# Altium PCB RFID_DACS-01.PcbDoc (part 2 of 2)
Units mil, origin at the board's own origin, x right, y up, seen from the top; angles counter-clockwise.
Board outline 4330.71 x 2755.91 mil, 2 copper layers (Top Layer, Bottom Layer); 189 components, 142 nets, 630 pads, 156 vias.
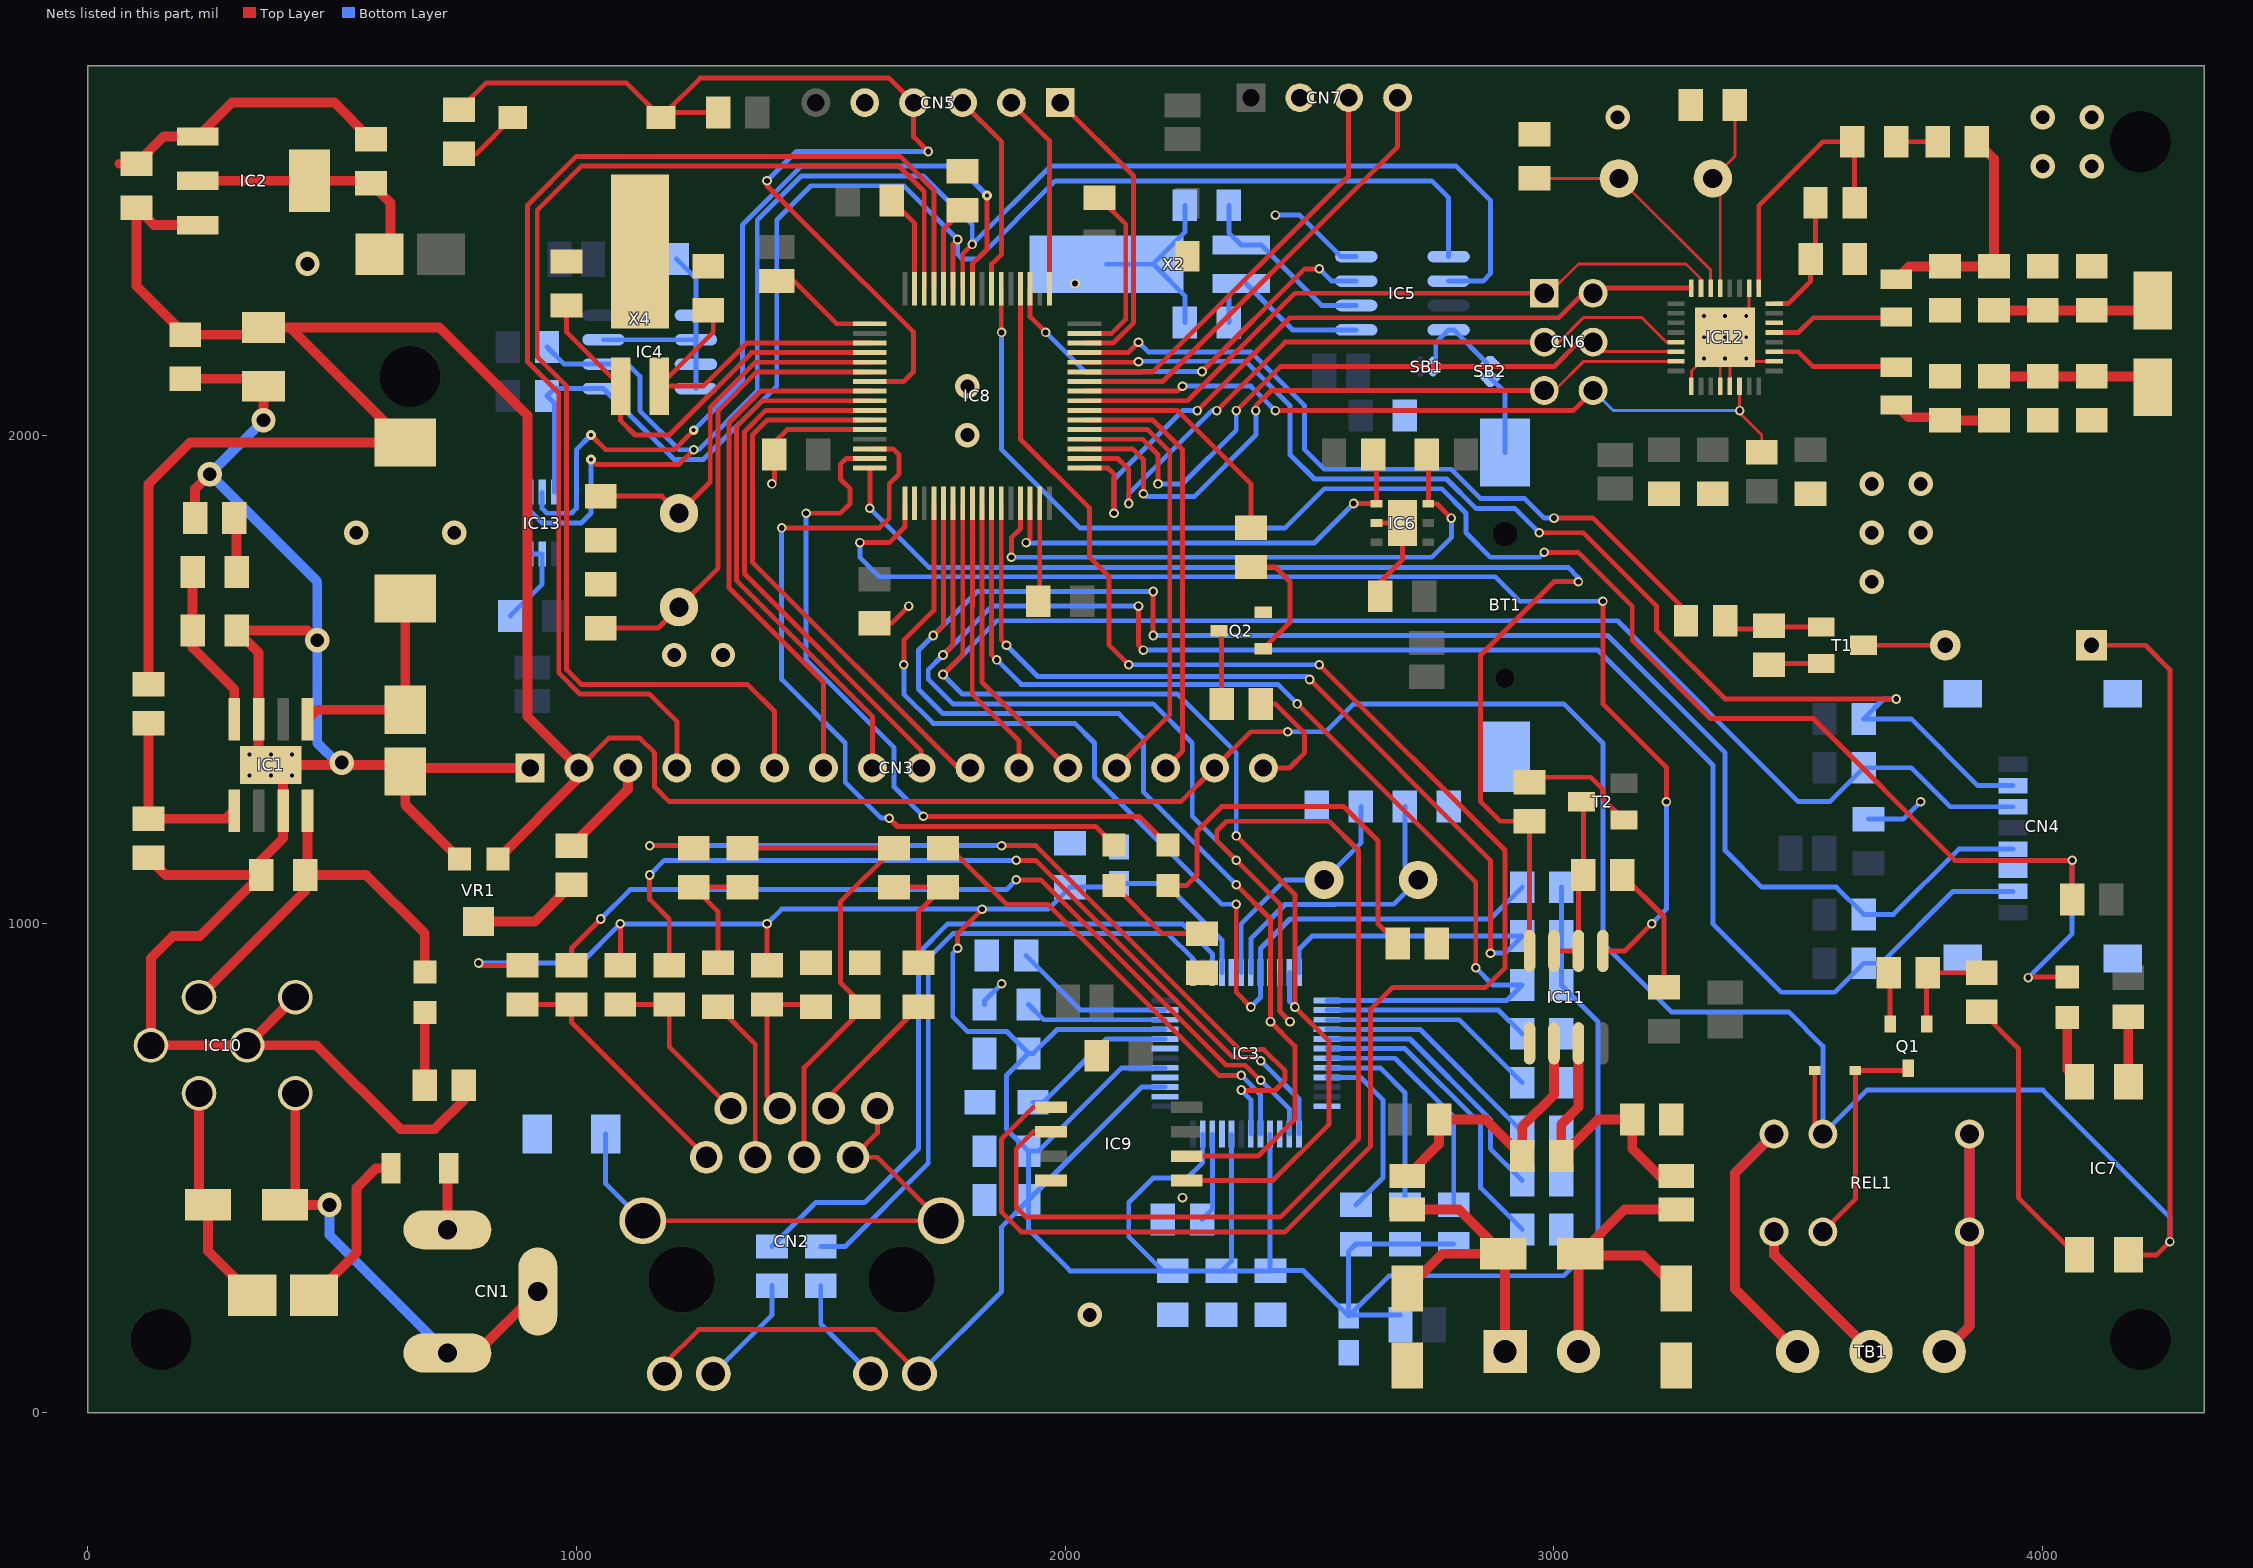
[diagram p2: the nets of this part, all layers, seen from the top]

## Via types
v1: diameter 19.68, hole 11.81, Top Layer to Bottom Layer, 114 vias
v2: diameter 50, hole 28, Top Layer to Bottom Layer, 23 vias
v3: diameter 19.68, hole 7.87, Top Layer to Bottom Layer, 19 vias

## Nets (pads, with @x,y where several pads share a name; then routed paths per layer and width w, separated by ;. In a path a pad name is that pad's centre, name@x,y a point inside that pad or via, vN(x,y) a via of type N, cw(c..) or ccw(c..) an arc to the next point about the centre after c; other vN are vias at no path point) (continued)
3V3_W5500: C8.1 C9.2 C10.2 C11.2 C12.2 C18.1 C19.2 C41.2 C59.2 CN2.9 CN2.12 FB1.1 IC3.4 IC3.8 IC3.11 IC3.15 IC3.17 IC3.21 IC3.28 R7.2 R9.2 R11.2 R13.2 R14.1 R15.1 R16.1 R17.1 R18.1 | length 8369.8
  Top Layer w10: v1(800,920) 805,915 R15.1@890,915 ; R14.1@1090,915 v1(1090,1000) ; CN2.9@1180.12,79.61 1180.12,100.12 1250,170 1611.38,170 CN2.12@1701.77,79.61 ; R16.1@1390,915 v1(1390,1000) ; v1(1780,950) 1780,980 v1(1830,1030)
  Bottom Layer w10: v1(800,920) 1010,920 v1(1090,1000) v1(1390,1000) 1420,1030 v1(1830,1030) 1965,1030 C19.2@2010,1075 2102.4,1075 C18.1@2110,1082.6 2204.8,1082.6 2320.79,966.61 IC3.28@2320.79,900.35 ; CN2.12@1701.77,79.61 1870,247.83 1870,380 C11.2@1925,435 ; v1(1780,950) 1770,940 1770,810 1800,780 1880,780 C59.2@1925,735 ; IC3.15@2204.65,666.1 2156.1,666.1 C11.2@1925,435 ; IC3.17@2204.65,705.47 2115.47,705.47 1945,535 C12.2@1925,535 ; IC3.21@2204.65,784.21 1984.21,784.21 1935,735 C59.2@1925,735 ; IC3.11@2281.42,569.65 2281.42,511.42 2250,480 2180,480 2130,430 2130,360 C10.2@2200,290 ; IC3.8@2340.47,569.65 2340.47,310.47 C9.2@2320,290 ; IC3.4@2419.21,569.65 2419.21,290.79 2486.61,290.79 C8.1@2580,197.4 ; C41.2@2420,290 C9.2@2320,290 ; FB1.1@2685.55,200 C8.1@2582.6,200 ; R7.2@2795,345 R9.2@2695,345 R11.2@2595,345 2580,330 C8.1@2580,197.4 ; R18.1@3015,1075 R17.1@3015,975 R13.2@3015,875 3090,800 3090,350 3020,280 2662.6,280 C8.1@2582.6,200 ; C11.2@1925,435 1925,375 2010,290 C10.2@2200,290 ; C11.2@1925,435 C12.2@1925,535 ; C12.2@1925,535 1880,580 1880,690 C59.2@1925,735 ; C10.2@2200,290 C10.2@2220,290 C9.2@2320,290 ; C8.1@2580,197.4 C8.1@2582.6,200
5V: C1.1 C2.2 C6.2 CN3.2 CN3.15 D5.1 IC2.3 IC7.4 L1.2 LS1.1 R1.1 REL1.2 VR1.1 | length 9478.1
  Top Layer w10: CN3.2@1005.51,1318.9 1066.61,1380 1130,1380 1160,1350 1160,1280 1190,1250 2236.61,1250 CN3.15@2305.51,1318.9 2379.65,1393.04 v1(2455.4,1393.04) ; D5.1@3533.46,700 3533.46,586.54 REL1.2@3550,570 ; LS1.1@4099.61,1570 4210,1570 4260,1520 v1(4260,350) 4232.83,322.83 IC7.4@4175,322.83
  Top Layer w20: R1.1@125,1490 125,1900 209.45,1984.45 L1.2@650,1984.45 414.41,2220.04 ; IC2.3@225.83,2429.45 135.55,2429.45 C6.2@100,2465 100,2305 C2.2@200,2205 344.96,2205 C1.1@360,2220.04 414.41,2220.04 ; VR1.1@839.37,1132.99 1005.51,1299.13 CN3.2@1005.51,1318.9 900,1424.41 900,2040 719.96,2220.04 414.41,2220.04
  Bottom Layer w10: v1(2455.4,1393.04) 2533.04,1393.04 2590,1450 3020,1450 3100,1370 3100,960 3240,820 3480,820 3550,750 REL1.2@3550,570 ; REL1.2@3560,580 3640,660 4000,660 4260,400 v1(4260,350)
BUZZER: IC8.45 R45.1 | length 1567
  Top Layer w10: IC8.45@2039.49,2168.58 2128.58,2168.58 v1(2150,2190) ; v1(3000,1830) 3080,1830 3287,1623 R45.1@3287,1600
  Bottom Layer w10: v1(2150,2190) 2170,2170 2380,2170 2490,2060 2490,1970 2530,1930 2790,1930 2850,1870 2940,1870 2980,1830 v1(3000,1830)
COM: REL1.1 REL1.6 TB1.3 | length 1067.1
  Top Layer w20: TB1.3@3777.5,97.5 TB1.3@3825,145 ; TB1.3@3798.43,125 3850,176.57 REL1.6@3850,370 REL1.1@3850,570
  Bottom Layer w20: TB1.3@3777.5,97.5 TB1.3@3825,145 ; TB1.3@3798.43,125 3850,176.57 REL1.6@3850,370 REL1.1@3850,570
GND: BT1.2 C1.2 C2.1 C3.1 C4.1 C6.1 C7.1 C8.2 C9.1 C10.1 C11.1 C12.1 C13.2 C14.2 C15.2 C18.2 C19.1 C20.2 C21.2 C22.1 C23.1 C24.1 C25.1 C26.1 C27.1 C28.1 C29.2 C30.2 C31.1 C32.1 C33.1 C34.1 C35.1 C36.2 C37.2 C38.1 C39.2 C40.2 C41.1 C42.1 C43.1 C44.1 C45.2 C46.2 C47.1 C50.1 C51.1 C52.1 C53.2 C54.2 C55.2 C57.1 C58.1 C59.1 C60.2 CN3.1 CN3.5 CN4.6 CN4.9 CN4.10 CN5.5 CN7.2 D3.2 D6.2 D8.2 IC1.3 IC1.7 IC1.9 IC2.1 IC3.3 IC3.9 IC3.14 IC3.16 IC3.19 IC3.29 IC3.48 IC4.1 IC4.2 IC4.3 IC4.4 IC4.7 IC5.4 IC6.2 IC6.7 IC8.12 IC8.18 IC8.31 IC8.47 IC8.63 IC9.4 IC10.4 IC10.5 IC10.6 IC11.5 IC12.1 IC12.4 IC12.5 IC12.10 IC12.14 IC12.18 IC12.33 IC13.2 IC13.3 Q1.2 Q2.2 R2.2 R3.2 R4.2 R5.2 R6.2 R8.2 R10.2 R12.2 R22.2 R26.2 R29.2 R33.2 R42.2 R46.1 R49.2 R50.2 R57.2 SW1.2 T1.2 VR1.3 X2.3 X4.3 | length 8800.5
  Top Layer w6: IC12.1@3281.1,2099.61 3281.1,2131.1 v3(3306.69,2156.69) v3(3350,2200) ; IC12.4@3340.16,2099.61 IC12.33@3340.16,2156.69 ; IC12.5@3359.84,2099.61 IC12.33@3359.84,2190.16 ; v3(3393.31,2156.69) IC12.33@3359.84,2190.16 ; IC12.33@3399.21,2150.79 IC12.10@3450.39,2150.79 ; IC12.18@3399.21,2300.39 3399.21,2249.21 v3(3393.31,2243.31) v3(3350,2200) ; v3(3350,2200) IC12.33@3359.84,2190.16
  Top Layer w10: C38.1@760,2575 795,2575 SW1.2@870,2650 ; v1(1400,1900) 1405,1905 C31.1@1405,1960 1405,1985 1431.1,2011.1 IC8.12@1600.51,2011.1 ; C35.1@1610,1615 1645,1615 v1(1680,1650) ; C34.1@1645,2480 1692.05,2432.95 IC8.63@1692.05,2299.49 ; C32.1@1945,1660 1947.95,1662.95 IC8.31@1947.95,1860.51 ; IC8.47@2039.49,2207.95 2095.33,2207.95 2124,2236.63 2124,2431 C33.1@2070,2485 ; IC6.2@2636.85,1820 IC6.7@2690,1820 2690,1745 C28.1@2645,1700 ; R49.2@3140,1100 3225,1015 C43.1@3225,870 C43.1@3215,860 ; R46.1@3450,1537 3454.4,1532.6 T1.2@3546.69,1532.6 ; R33.2@3685,900 3687.6,897.4 Q1.2@3687.6,795.28
  Top Layer w20: 65,2555 C6.1@100,2555 155.55,2610.55 IC2.1@225.83,2610.55 295.28,2680 505,2680 C7.1@580,2605 ; R2.2@125,1135 160,1100 C3.1@355,1100 ; C2.1@200,2115 344.96,2115 C1.2@360,2099.96 v2(360,2030) ; R4.2@220,1830 220,1890 v2(250,1920) ; IC10.4@425,850 IC10.6@326.57,751.57 ; v2(470,1580) 450,1600 C4.1@305,1600 350,1555 IC1.3@350,1418.5 350,1350 IC1.9@375,1325 ; VR1.3@760.63,1132.99 650,1243.62 D3.2@650,1312.01 ; R3.2@770,670 770,640 710,580 640,580 468.43,751.57 IC10.6@326.57,751.57 ; CN3.1@905.51,1318.9 656.89,1318.9 D3.2@650,1312.01 ; IC10.6@326.57,751.57 IC10.5@129.72,751.57 129.72,929.72 175,975 230,975 C3.1@355,1100 ; C3.1@355,1100 355,1130 400,1175 IC1.7@400,1231.5 400,1300 IC1.9@375,1325 ; IC1.9@375,1325 637.01,1325 D3.2@650,1312.01
  Bottom Layer w10: C60.2@865,1630 930,1695 IC13.2@930,1757.01 IC13.3@904.41,1757.01 ; IC4.7@1055.51,2195 IC4.2@1244.49,2195 ; C24.1@1205,2360 1244.49,2320.51 IC4.1@1244.49,2245 IC4.2@1244.49,2195 ; IC4.4@1244.49,2095 IC4.3@1244.49,2145 IC4.2@1244.49,2195 ; C23.1@1835,835 1835,842.5 v1(1870,877.5) ; X2.3@2084.41,2349.37 X2.3@2179.37,2349.37 ; C26.1@2245,2230 2245,2285 2180.63,2349.37 X2.3@2179.37,2349.37 ; C27.1@2245,2470 2245,2415 X2.3@2179.37,2349.37 ; v1(2430,2450) 2480,2450 2565,2365 IC5.4@2595.51,2365 ; C29.2@3643.39,1214.33 3714.33,1214.33 v1(3750,1250)
  Bottom Layer w20: v2(360,2030) v2(250,1920) 470,1700 v2(470,1580) 470,1370 v2@510,1330
  other v1: 2240,440 2020,2310
  other v2: 2050,200 520,1330 1200,1550 1300,1550 3650,1700 550,1800 750,1800 3650,1800 3750,1800 3650,1900 3750,1900 1800,2000 1800,2100 450,2350 4000,2550 4100,2550 3130,2650 4000,2650 4100,2650
  other v3: 331.69,1303.35 375,1303.35 418.31,1303.35 331.69,1346.65 375,1346.65 418.31,1346.65 3350,2156.69 3306.69,2200 3393.31,2200 3306.69,2243.31 3350,2243.31
I2C1_SCL: IC4.6 IC5.6 IC8.58 IC13.4 R55.2 | length 3530.4
  Top Layer w10: v3(1030,1950) 1040,1940 1210,1940 v1(1240,1970) ; IC8.58@1790.47,2299.49 1790.47,2370.47 v1(1810,2390)
  Bottom Layer w10: IC13.4@904.41,1882.99 904.41,1845.59 930,1820 1010,1820 1030,1840 v3(1030,1950) ; R55.2@940,2180 975,2145 IC4.6@1055.51,2145 1105,2145 1130,2120 1130,2050 1210,1970 v1(1240,1970) 1250,1970 1370,2090 1370,2440 1460,2530 1710,2530 1810,2430 v1(1810,2390) 1970,2550 2800,2550 2870,2480 2870,2330 2855,2315 IC5.6@2784.49,2315
I2C1_SDA: IC4.5 IC5.5 IC8.59 IC13.6 R56.2 | length 2930.5
  Top Layer w10: IC8.59@1770.79,2299.49 1770.79,2390.79 v1(1780,2400)
  Bottom Layer w10: IC13.6@955.59,1882.99 955.59,2064.41 R56.2@940,2080 955,2095 IC4.5@1055.51,2095 1200.51,1950 1260,1950 1410,2100 1410,2440 1480,2510 1670,2510 v1(1780,2400) 1780,2370 1790,2360 1820,2360 1980,2520 2750,2520 2784.49,2485.51 IC5.5@2784.49,2365
I2C2_SCL: IC6.6 IC8.29 R44.1 | length 1235.7
  Top Layer w10: v1(1890,1750) 1890,1790 1908.58,1808.58 IC8.29@1908.58,1860.51 ; R44.1@2740,1960 2743.15,1956.85 IC6.6@2743.15,1859.37 2760.63,1859.37 v1(2790,1830)
  Bottom Layer w10: v1(1890,1750) 2750,1750 2790,1790 v1(2790,1830)
I2C2_SDA: IC6.1 IC8.30 R43.1 | length 938.4
  Top Layer w10: v1(1920,1780) 1928.27,1788.27 IC8.30@1928.27,1860.51 ; v1(2590,1860) 2636.22,1860 IC6.1@2636.85,1859.37 2636.85,1953.15 R43.1@2630,1960
  Bottom Layer w10: v1(1920,1780) 1920.84,1779.16 2509.16,1779.16 v1(2590,1860)
LCD_D0: CN3.7 IC8.8 | length 1101.5
  Top Layer w10: CN3.7@1505.51,1318.9 1505.51,1494.49 1312,1688 1312,2024.63 1377.37,2090 1600.35,2090 IC8.8@1600.51,2089.84
LCD_D1: CN3.8 IC8.9 | length 1108.2
  Top Layer w10: IC8.9@1600.51,2070.16 1380.16,2070.16 1328,2018 1328,1702 1605.51,1424.49 CN3.8@1605.51,1318.9
LCD_D2: CN3.9 IC8.10 | length 1112.1
  Top Layer w10: IC8.10@1600.51,2050.47 1387.85,2050.47 1344,2006.63 1344,1716 1705.51,1354.49 CN3.9@1705.51,1318.9
LCD_D3: CN3.10 IC8.11 | length 1133.2
  Top Layer w10: IC8.11@1600.51,2030.79 1390.79,2030.79 1360,2000 1360,1740 1781.1,1318.9 CN3.10@1805.51,1318.9
LCD_D4: CN3.11 IC8.24 | length 581.2
  Top Layer w10: IC8.24@1810.16,1860.51 1810.16,1650.16 1810,1650 1810,1470 1905.51,1374.49 CN3.11@1905.51,1318.9
LCD_D5: CN3.12 IC8.25 | length 614.4
  Top Layer w10: IC8.25@1829.84,1860.51 1829.84,1494.57 CN3.12@2005.51,1318.9
LCD_D6: CN3.13 IC8.37 | length 885.2
  Top Layer w10: IC8.37@2039.49,2011.1 2168.9,2011.1 2214,1966 2214,1427.39 CN3.13@2105.51,1318.9
LCD_D7: CN3.14 IC8.38 | length 891.1
  Top Layer w10: IC8.38@2039.49,2030.79 2179.21,2030.79 2240,1970 2240,1353.39 CN3.14@2205.51,1318.9
LCD_EN: CN3.6 IC8.62 | length 2590.6
  Top Layer w10: CN3.6@1405.51,1318.9 1405.51,1434.49 1350,1490 1010,1490 980,1520 980,2100 920,2160 920,2460 1010,2550 1660,2550 1711.73,2498.27 IC8.62@1711.73,2299.49
LCD_LED: IC8.39 R36.2 | length 492.8
  Top Layer w10: IC8.39@2039.49,2050.47 2229.53,2050.47 2380,1900 R36.2@2380,1810
LCD_RS: CN3.4 IC8.61 | length 2464.3
  Top Layer w10: CN3.4@1205.51,1318.9 1205.51,1414.49 1150,1470 1007.37,1470 964,1513.37 964,2086 900,2150 900,2470 1000,2570 1662.63,2570 1731.42,2501.21 IC8.61@1731.42,2299.49
LED1: IC8.14 LED3.2 | length 1608.1
  Top Layer w10: v1(1420,1810) 1620,1810 1640,1830 1640,1900 1660,1920 1660,1960 1648.27,1971.73 IC8.14@1600.51,1971.73 ; v1(1640,1216.15) 1657,1199.16 2062.18,1199.16 LED3.2@2100.01,1161.33
  Bottom Layer w10: v1(1420,1810) 1420,1500 1550,1370 1550,1290 1623.85,1216.15 v1(1640,1216.15)
LED2: IC8.15 LED4.2 | length 1495.8
  Top Layer w10: v1(1470,1840) 1540,1840 1560,1860 1560,1890 1540,1910 1540,1940 1552.05,1952.05 IC8.15@1600.51,1952.05 ; v1(1710,1220) 2151.34,1220 LED4.2@2210.01,1161.33
  Bottom Layer w10: v1(1470,1840) 1470,1540 1650,1360 1650,1280 v1(1710,1220)
LIGHT_INT: IC8.57 IC13.5 | length 1751.6
  Top Layer w10: v3(1030,2000) 1060,1970 1200,1970 v3(1240,2010) ; IC8.57@1810.16,2299.49 1810.16,2350.16 1840,2380 v3(1840,2490)
  Bottom Layer w10: IC13.5@930,1882.99 930,1850 940,1840 990,1840 1000,1850 1000,1970 v3(1030,2000) ; v3(1240,2010) 1340,2110 1340,2430 1460,2550 1780,2550 v3(1840,2490)
MFRC522_IRQ: CN6.1 IC8.40 IC12.23 | length 1408.8
  Top Layer w6: CN6.1@2980,2290 2990,2290 3050,2350 3270,2350 3300.79,2319.21 IC12.23@3300.79,2300.39
  Top Layer w10: IC8.40@2039.49,2070.16 2250.16,2070.16 2470,2290 CN6.1@2980,2290
MFRC522_RST: CN6.6 IC8.41 IC12.6 R51.2 | length 1548.3
  Top Layer w6: v1@3379.53,2045.47 3425,2000 R51.2@3425,1965 ; v1@3379.53,2050 IC12.6@3379.53,2099.61
  Top Layer w10: IC8.41@2039.49,2089.84 2229.84,2089.84 v1(2240,2100) ; v1(2430,2050) 3039.02,2050 CN6.6@3080.01,2090.99
  Bottom Layer w6: CN6.6@3080.01,2090.99 3121,2050 v1(3380,2050)
  Bottom Layer w10: v1(2240,2100) 2380,2100 v1(2430,2050)
MFRC522_RX: C48.2 IC12.17 R52.1 | length 541
  Top Layer w10: IC12.17@3418.9,2300.39 3418.9,2468.9 3550,2600 C48.2@3610,2600 3615,2595 R52.1@3615,2475
MFRC522_TX1: IC12.11 L3.1 | length 262.2
  Top Layer w10: IC12.11@3450.39,2170.47 3499.53,2170.47 3530,2140 L3.1@3700,2140
MFRC522_TX2: IC12.13 L2.1 | length 262.1
  Top Layer w10: IC12.13@3450.39,2209.84 3499.84,2209.84 3530,2240 L2.1@3700,2240
MFRC522_VMID: C47.2 IC12.16 R52.2 | length 228.7
  Top Layer w10: IC12.16@3450.39,2268.9 3478.9,2268.9 3525,2315 C47.2@3525,2360 ; C47.2@3535,2385 R52.2@3535,2475
MICROSD_CS: CN4.2 IC8.44 R37.2 | length 2480.9
  Top Layer w10: IC8.44@2039.49,2148.9 2148.9,2148.9 v1(2150,2150) ; v1(2970,1800) 3060,1800 3210,1650 3210,1600 3350,1460 v1(3700,1460)
  Bottom Layer w10: v1(2150,2150) 2150.84,2150.84 2369.16,2150.84 2460,2060 2460,1960 2510,1910 2780,1910 2840,1850 2920,1850 v1(2970,1800) ; v1(3700,1460) 3674.06,1460 R37.2@3633.39,1419.33 3730.67,1419.33 3867.13,1282.87 CN4.2@3938.98,1282.87
N\R\S\T\: C38.2 CN5.4 IC8.7 R41.2 SW1.1 | length 2222
  Top Layer w10: C38.2@760,2665 815,2720 1103.15,2720 SW1.1@1173.15,2650 SW1.1@1183.15,2660 ; R41.2@1290,2660 SW1.1@1183.15,2660 ; v1(1390,2520) 1390,2510.06 1490,2410.06 ; 1489.97,2410.03 1690,2210 1690,2130 1669.53,2109.53 IC8.7@1600.51,2109.53 ; v1(1720,2580) 1690,2610 CN5.4@1690,2680 1640,2730 1253.15,2730 SW1.1@1183.15,2660
  Bottom Layer w10: v1(1390,2520) 1450,2580 v1(1720,2580)
NC: REL1.3 TB1.1 | length 1062.7
  Top Layer w20: REL1.3@3450,570 3370,490 3370,253.43 TB1.1@3498.43,125
  Bottom Layer w20: REL1.3@3450,570 3370,490 3370,253.43 TB1.1@3498.43,125
NetANT1_1: ANT1.1 C49.2 C51.2 C52.2 | length 333.3
  Top Layer w20: C49.2@3900,2255 C51.2@4000,2255 C52.2@4100,2255 4205,2255 ANT1.1@4225,2275
NetANT1_2: ANT1.2 C54.1 C55.1 C56.2 | length 334.2
  Top Layer w20: C56.2@3900,2120 C54.1@4000,2120 C55.1@4100,2120 4202.83,2120 ANT1.2@4225,2097.83
NetBT1_1: BT1.1 SB2.2 | length 165.4
  Bottom Layer w10: SB2.2@2870,2117 2900,2087 BT1.1@2900,1964.02
NetC3_2: C3.2 IC1.8 IC10.2 LED1.2 | length 846.8
  Top Layer w20: IC10.2@228.15,850 445,1066.85 C3.2@445,1100 ; IC1.8@450,1231.5 450,1105 C3.2@445,1100 ; LED1.2@690,901.34 690,980 570,1100 C3.2@445,1100
NetC4_2: C4.2 C5.2 IC1.4 | length 336.7
  Top Layer w20: C5.2@215,1720 C4.2@215,1600 215,1565 300,1480 IC1.4@300,1418.5
NetC5_1: C5.1 R4.1 | length 112.1
  Top Layer w20: R4.1@300,1830 305,1825 C5.1@305,1720
NetC7_2: C7.2 D4.2 IC2.2 IC2.4 | length 514.8
  Top Layer w20: IC2.2@225.83,2520 IC2.4@454.17,2520 575,2520 C7.2@580,2515 620,2475 D4.2@620,2372.99
NetC13_1: C13.1 CN2.4 R16.2 | length 325.3
  Top Layer w10: CN2.4@1415.94,622.52 1390,648.46 R16.2@1390,835 1485,835 C13.1@1490,830
NetC14_1: C14.1 IC3.31 X1.1 | length 622.8
  Bottom Layer w10: IC3.31@2379.84,900.35 2379.84,969.84 2449.63,1039.63 2550.86,1039.63 2551.23,1040 2672.13,1040 X1.1@2722.13,1090 2695,1117.13 C14.1@2695,1240
NetC15_1: C15.1 IC3.30 X1.2 | length 487.9
  Bottom Layer w10: IC3.30@2360.16,900.35 2360.16,1000.16 2450,1090 X1.2@2530,1090 2605,1165 C15.1@2605,1240
NetC16_1: C16.1 CN2.3 | length 338.9
  Top Layer w10: C16.1@1290,830 1365.94,754.06 CN2.3@1365.94,522.52
NetC17_1: C17.1 CN2.6 | length 283.7
  Top Layer w10: CN2.6@1515.94,622.52 1515.94,645.94 C17.1@1700,830
NetC20_1: C20.1 CN2.7 CN2.8 CN2.13 CN2.14 | length 1173.3
  Top Layer w10: CN2.13@1136.02,392.6 CN2.14@1745.87,392.6 1615.94,522.52 CN2.7@1565.94,522.52 1615.94,572.52 CN2.8@1615.94,622.52
  Bottom Layer w10: C20.1@1060.08,569.92 C20.1@1060,570 1060,468.62 CN2.13@1136.02,392.6
NetC21_1: C21.1 IC3.20 | length 324.2
  Bottom Layer w10: C21.1@1934.13,635 1955,635 2084.53,764.53 IC3.20@2204.65,764.53
NetC22_2: C22.2 CN2.5 R27.2 R28.2 | length 1060.1
  Top Layer w10: R27.2@1340,1155 R28.2@1650,1155 1540,1045 1540,880 C22.2@1590,830 1465.94,705.94 CN2.5@1465.94,522.52
NetC23_2: C23.2 IC3.22 | length 292.5
  Bottom Layer w10: C23.2@1925,835 1956.1,803.9 IC3.22@2204.65,803.9
NetC26_2: C26.2 IC5.1 X2.2 | length 355.2
  Bottom Layer w10: C26.2@2335,2230 2335,2285 X2.2@2360,2310 ; X2.2@2370,2310 2465,2215 IC5.1@2595.51,2215
NetC27_2: C27.2 IC5.2 X2.1 | length 378.4
  Bottom Layer w10: C27.2@2335,2470 2335,2413.74 X2.1@2360,2388.74 2401.26,2388.74 2525,2265 IC5.2@2595.51,2265
NetC36_1: C36.1 IC8.5 X3.1 | length 782.4
  Top Layer w10: C36.1@1050,1875 1175,1875 X3.1@1210,1840 1274,1904 1274,2056.63 1366.27,2148.9 IC8.5@1600.51,2148.9
NetC37_1: C37.1 IC8.6 X3.2 | length 956.3
  Top Layer w10: C37.1@1050,1605 1167.13,1605 X3.2@1210,1647.87 1290,1727.87 1290,2050 1369.21,2129.21 IC8.6@1600.51,2129.21
NetC39_1: C39.1 IC8.3 X4.2 | length 678.5
  Top Layer w10: C39.1@1280,2265 1280,2210.63 X4.2@1169.37,2100 1260,2100 1348.27,2188.27 IC8.3@1600.51,2188.27
NetC40_1: C40.1 IC8.4 X4.1 | length 873.3
  Top Layer w10: C40.1@980,2265 980,2210.63 X4.1@1090.63,2100 1090.63,2029.37 1120,2000 1190,2000 1358.58,2168.58 IC8.4@1600.51,2168.58
NetC45_1: C45.1 IC12.22 X5.1 | length 475.2
  Top Layer w6: C45.1@2960,2525 X5.1@3132.87,2525 3320.47,2337.4 IC12.22@3320.47,2300.39
NetC46_1: C46.1 IC12.21 X5.2 | length 399.5
  Top Layer w6: IC12.21@3340.16,2300.39 3340.16,2509.84 X5.2@3325,2525 3370,2570 C46.1@3370,2675
NetC48_1: C48.1 R53.2 | length 85
  Top Layer w10: C48.1@3700,2600 R53.2@3785,2600
NetC49_1: C49.1 C50.2 L2.2 R53.1 | length 480.4
  Top Layer w20: L2.2@3700,2318.58 3726.42,2345 C50.2@3800,2345 C49.1@3900,2345 3900,2565 R53.1@3865,2600
NetC53_1: C53.1 C56.1 L3.2 | length 213
  Top Layer w20: L3.2@3700,2061.42 3725,2036.42 3793.58,2036.42 C53.1@3800,2030 C56.1@3900,2030
NetCN1_2: CN1.2 CN1.3 D2.2 IC10.3 | length 976.3
  Top Layer w20: D2.2@420,430 D2.2@414.37,435.63 ; IC10.3@425,653.15 425,446.26 D2.2@414.37,435.63 ; v2(495,425) D2.2@403.74,425 D2.2@414.37,435.63 ; CN1.3@736.22,122.05 795.28,122.05 CN1.2@921.26,248.03
  Bottom Layer w20: v2(495,425) 495,363.27 CN1.3@736.22,122.05
NetCN2_10: CN2.10 R24.2 | length 230.1
  Bottom Layer w10: CN2.10@1280.12,79.61 1400,199.49 R24.2@1400,260
NetCN2_11: CN2.11 R25.2 | length 222.5
  Bottom Layer w10: R25.2@1500,260 1500,181.38 CN2.11@1601.77,79.61
NetCN3_3: CN3.3 R35.1 | length 206.7
  Top Layer w20: R35.1@990,1160 1105.51,1275.51 CN3.3@1105.51,1318.9
NetCN3_16: CN3.16 R34.1 | length 280
  Top Layer w10: CN3.16@2400,1324.41 CN3.16@2405.51,1318.9 2458.9,1318.9 2490,1350 2490,1390 2430,1450 R34.1@2400,1450 R34.1@2400,1470
NetD1_1: D1.1 D2.1 IC10.1 | length 458.2
  Top Layer w20: IC10.1@228.15,653.15 228.15,443.11 D2.1@246.26,425 246.26,330.75 D1.1@337.01,240
NetD1_2: D1.2 F1.2 | length 343.6
  Top Layer w20: D1.2@462.99,240 550,327.01 550,460 590,500 F1.2@620.94,500
NetD3_1: D3.1 IC1.1 L1.1 | length 435.6
  Top Layer w20: IC1.1@450,1418.5 469.49,1437.99 D3.1@650,1437.99 L1.1@650,1665.55
NetD5_2: D5.2 Q1.3 REL1.5 | length 468
  Top Layer w10: REL1.5@3550,370 3616.54,436.54 D5.2@3616.54,700 3720.28,700 Q1.3@3725,704.72
NetFB7_1: FB7.1 IC8.1 | length 226.9
  Top Layer w10: FB7.1@1410,2315.55 1444.45,2315.55 1532.36,2227.64 IC8.1@1600.51,2227.64
NetFB10_2: FB10.2 IC11.6 R47.2 R48.1 | length 601
  Top Layer w20: FB10.2@2700,484.45 2765,549.45 R47.2@2765,600 2860,600 R48.1@2935,525 2935,585 3000,650 IC11.6@3000,755.51
NetFB11_2: FB11.2 IC11.7 R48.2 R50.1 | length 594.1
  Top Layer w20: IC11.7@3050,755.51 3050,625 3015,590 R48.2@3015,525 3090,600 R50.1@3160,600 3160,540 3215.55,484.45 FB11.2@3250,484.45
NetIC1_5: IC1.5 R1.2 R2.1 | length 376.8
  Top Layer w20: R1.2@125,1410 R2.1@125,1215 283.5,1215 IC1.5@300,1231.5
NetIC3_1: IC3.1 R19.1 | length 1816.6
  Top Layer w10: v1(1150,1100) 1150,1050 1190,1010 R19.1@1190,915 ; v1(1900,1130) 1940,1130 2343.16,726.84 2393.16,726.84 v1(2400,720)
  Bottom Layer w10: v1(1150,1100) 1180,1130 v1(1900,1130) ; v1(2400,720) 2478.27,641.73 IC3.1@2478.27,569.65
NetIC3_2: IC3.2 R20.1 | length 1807.4
  Top Layer w10: R20.1@990,915 990,950 v1(1050,1010) ; v1(1900,1090) 1950,1090 2329.16,710.84 2368.63,710.84 2399.48,680 v1(2400,680)
  Bottom Layer w10: v1(1050,1010) 1110,1070 1880,1070 v1(1900,1090) ; v1(2400,680) 2458.58,621.42 IC3.2@2458.58,569.65
NetIC3_5: IC3.5 R21.1 | length 939.3
  Top Layer w10: R21.1@1750,1155 1765,1155 1880,1040 1964.14,1040 2314.14,690 v1(2360,690)
  Bottom Layer w10: v1(2360,690) 2399.53,650.47 IC3.5@2399.53,569.65
NetIC3_6: IC3.6 R23.1 | length 1799.9
  Top Layer w10: v1(1150,1160) 1235,1160 R23.1@1240,1155 ; v1(1870,1160) 1940,1160 2357.16,742.84 2406.63,742.84 2450,699.48 2450,680 2429.16,659.16 2360.84,659.16 v1(2360,660)
  Bottom Layer w10: v1(1150,1160) v1(1870,1160) ; v1(2360,660) 2379.84,640.16 IC3.6@2379.84,569.65
NetIC3_10: IC3.10 R26.1 | length 183.4
  Bottom Layer w10: R26.1@2280,395 2301.1,416.1 IC3.10@2301.1,569.65
NetIC3_23: IC3.23 R29.1 | length 330.8
  Bottom Layer w10: R29.1@1920,935 2031.42,823.58 IC3.23@2204.65,823.58
NetIC3_38: IC3.38 R12.1 | length 419.8
  Bottom Layer w10: IC3.38@2535.35,823.58 2886.42,823.58 R12.1@2935,775
NetIC3_39: IC3.39 R10.1 | length 453
  Bottom Layer w10: IC3.39@2535.35,803.9 2806.1,803.9 R10.1@2935,675
NetIC3_40: IC3.40 R8.1 | length 486.3
  Bottom Layer w10: IC3.40@2535.35,784.21 2725.79,784.21 R8.1@2935,575
NetIC3_41: IC3.41 R6.1 | length 554.7
  Bottom Layer w10: IC3.41@2535.35,764.53 2705.47,764.53 2870,600 2870,540 R6.1@2935,475
NetIC3_42: IC3.42 R5.1 | length 629
  Bottom Layer w10: IC3.42@2535.35,744.84 2695.16,744.84 2850,590 2850,460 R5.1@2935,375
NetIC3_43: IC3.43 R7.1 | length 489.4
  Bottom Layer w10: IC3.43@2535.35,725.16 2674.84,725.16 2795,605 R7.1@2795,425
NetIC3_44: IC3.44 R9.1 | length 410.6
  Bottom Layer w10: IC3.44@2535.35,705.47 2644.53,705.47 2695,655 R9.1@2695,425
NetIC3_45: IC3.45 R11.1 | length 371.4
  Bottom Layer w10: IC3.45@2535.35,685.79 2604.21,685.79 2650,640 2650,480 R11.1@2595,425
NetIC5_8: IC5.8 SB1.2 SB2.1 | length 184.2
  Bottom Layer w10: SB1.2@2758,2147 2758,2188.51 IC5.8@2784.49,2215 2795,2215 SB2.1@2862,2148
NetIC7_1: IC7.1 R30.2 | length 132.8
  Top Layer w20: IC7.1@4175,677.17 R30.2@4175,810
NetIC7_2: IC7.2 LED2.2 | length 141.9
  Top Layer w20: LED2.2@4049.99,808.67 4049.99,702.17 IC7.2@4075,677.17
NetIC7_3: IC7.3 R32.2 | length 582.3
  Top Layer w10: R32.2@3875,820 3950,745 3950,440 IC7.3@4071.08,318.92
NetIC8_60: IC8.60 R42.1 | length 176.6
  Top Layer w10: IC8.60@1751.1,2299.49 1751.1,2421.1 R42.1@1790,2460
NetIC11_2: IC11.2 IC11.3 R49.1 T2.3 | length 361
  Top Layer w10: IC11.3@3000,944.49 IC11.2@3050,944.49 3050,1090 R49.1@3060,1100 3060,1246.69 T2.3@3056.69,1250
NetLED1_1: LED1.1 R3.1 | length 148.7
  Top Layer w20: R3.1@690,670 LED1.1@690,818.66
NetLED3_1: LED3.1 R22.1 | length 220.9
  Top Layer w10: LED3.1@2100.01,1078.65 2198.66,980 R22.1@2280,980
NetLED4_1: LED4.1 R57.1 | length 805.1
  Top Layer w10: LED4.1@2210.01,1078.65 2248.65,1078.65 2270,1100 2270,1190 2320,1240 2570,1240 2640,1170 2640,1000 R57.1@2680,960
NetLS1_2: LS1.2 T1.3 | length 167.1
  Top Layer w10: T1.3@3633.31,1570 LS1.2@3800.39,1570
NetQ1_1: Q1.1 R32.1 R33.1 | length 215.8
  Top Layer w10: Q1.1@3762.4,795.28 3762.4,897.4 R33.1@3765,900 R32.1@3875,900
NetQ2_1: Q2.1 R36.1 | length 252.5
  Top Layer w10: R36.1@2380,1730 2430,1730 2460,1700 2460,1617.32 Q2.1@2405.28,1562.6
NetQ2_3: Q2.3 R34.2 | length 152.2
  Top Layer w10: Q2.3@2314.72,1600 2320,1594.72 R34.2@2320,1450
NetR35_2: R35.2 VR1.2 | length 221
  Top Layer w20: VR1.2@800,1005.04 915.04,1005.04 R35.2@990,1080
NetR45_2: R45.2 R46.2 T1.1 | length 196.8
  Top Layer w10: R45.2@3353,1600 3356,1603 3450,1603 3454.4,1607.4 T1.1@3546.69,1607.4
NetR54_2: R54.2 T2.1 | length 244.8
  Top Layer w10: R54.2@2950,1290 2960,1300 3075,1300 3100,1275 3100,1255.91 T2.1@3143.31,1212.6
NO: REL1.4 TB1.2 | length 657.8
  Top Layer w20: REL1.4@3450,370 3450,323.43 TB1.2@3648.43,125
  Bottom Layer w20: REL1.4@3450,370 3450,323.43 TB1.2@3648.43,125 TB1.2@3645,125
RELAY: IC8.54 LED2.1 R31.2 | length 3444.6
  Top Layer w10: IC8.54@1869.21,2299.49 1869.21,2210.79 v1(1870,2210) ; v1(2980,1760) 3050,1760 3160,1650 3160,1580 3320,1420 3530,1420 3820,1130 v1(4060,1130) R31.2@4060,1050 ; v1(3970,890) 3971.35,891.35 LED2.1@4049.99,891.35
  Bottom Layer w10: v1(1870,2210) 1870,1970 2030,1810 2450,1810 2530,1890 2770,1890 2820,1840 2820,1800 2870,1750 2970,1750 v1(2980,1760) ; v1(3970,890) 4060,980 v1(4060,1130)
RS485_A: D6.1 D7.1 FB10.1 TB2.1 | length 661.1
  Top Layer w20: D6.1@2700,253.74 2771.26,325 D7.1@2896.26,325 ; FB10.1@2700,415.55 2805.71,415.55 D7.1@2896.26,325 ; TB2.1@2900,125 2900,321.26 D7.1@2896.26,325
RS485_B: D7.2 D8.1 FB11.1 TB2.2 | length 658
  Top Layer w20: TB2.2@3050,125 3050,321.26 3182.48,321.26 D8.1@3250,253.74 ; D7.2@3053.74,325 3144.29,415.55 FB11.1@3250,415.55
RS485_RXD: IC8.17 IC11.1 | length 2590.5
  Top Layer w10: v1(1580,1780) 1640,1780 1672.36,1812.36 IC8.17@1672.36,1860.51 ; IC11.1@3100,944.49 3144.49,944.49 v1(3200,1000) ; v1(3100,1660) 3100,1450 3230,1320 v1(3230,1250)
  Bottom Layer w10: v1(1580,1780) 1580,1750 1620,1710 2880,1710 2930,1660 v1(3100,1660) ; v1(3200,1000) 3230,1030 v1(3230,1250)
RS485_TXD: IC8.16 IC11.4 R54.1 | length 2543.8
  Top Layer w10: v1(1600,1850) 1600.51,1850.51 IC8.16@1600.51,1932.36 ; IC11.4@2950,944.49 R54.1@2950,1210 2890,1210 2850,1250 2850,1550 3000,1700 v1(3050,1700)
  Bottom Layer w10: v1(1600,1850) 1720.84,1729.16 3029.16,1729.16 3050,1708.31 v1(3050,1700)
RTC_INT: IC5.3 IC8.51 | length 869.3
  Top Layer w10: IC8.51@1928.27,2299.49 1928.27,2241.73 v1(1960,2210) ; v1(2280,2130) 2490,2340 v1(2520,2340)
  Bottom Layer w10: v1(1960,2210) 2040.84,2129.16 2158.63,2129.16 2159.48,2130 v1(2280,2130) ; v1(2520,2340) 2545,2315 IC5.3@2595.51,2315
RXN: C17.2 R21.2 R28.1 | length 275.7
  Top Layer w10: R28.1@1650,1075 R21.2@1750,1075 1700,1025 C17.2@1700,920
RXP: C16.2 R23.2 R27.1 | length 275.7
  Top Layer w10: C16.2@1290,920 1290,1025 R23.2@1240,1075 R27.1@1340,1075
SPI1_MISO: CN4.7 IC3.34 IC8.22 IC9.2 R38.2 | length 6587.7
  Top Layer w10: v1(1750,1550) 1770.79,1570.79 IC8.22@1770.79,1860.51 ; IC9.2@1971.22,575 1935,575 1900,540 1900,420 1920,400 2440,400 2600,560 2600,1150 2540,1210 2330,1210 2310,1190 2310,1170 v1(2350,1130) 2440,1040 2440,820 v1(2460,800) ; v1(2150,1650) 2150,1570 v1(2160,1560)
  Bottom Layer w10: v1(2150,1650) 1850,1650 v1(1750,1550) 1720,1520 1720,1500 1770,1450 2180,1450 2260,1370 2260,1220 v1(2350,1130) ; v1(2160,1560) 3090,1560 3325,1325 3325,1000 3465,860 3574.06,860 R38.2@3633.39,919.33 3669.33,919.33 3816.34,1066.34 CN4.7@3938.98,1066.34 ; IC3.34@2438.9,900.35 2438.9,821.1 v1(2460,800)
SPI1_MOSI: CN4.3 IC3.35 IC8.23 IC9.5 R39.2 | length 4735.7
  Top Layer w10: v1(1750,1510) 1790.47,1550.47 IC8.23@1790.47,1860.51 ; IC9.5@2248.78,475 2425,475 2540,590 2540,760 v1(2470,830) 2470,1060 v1(2350,1180)
  Bottom Layer w10: v1(2350,1180) 2350,1350 2230,1470 1790,1470 v1(1750,1510) 1860,1620 3130,1620 3500,1250 3564.06,1250 R39.2@3633.39,1319.33 3730.67,1319.33 3810.43,1239.57 CN4.3@3938.98,1239.57 ; IC3.35@2458.58,900.35 2458.58,841.42 v1(2470,830)
SPI1_SCLK: CN4.5 IC3.33 IC8.21 IC9.6 R40.2 | length 4901.3
  Top Layer w10: v1(1730,1590) 1751.1,1611.1 IC8.21@1751.1,1860.51 ; v1(2180,1590) v1(2180,1680) ; IC9.6@2248.78,525 2395,525 2470,600 2470,750 v1(2420,800) 2420,1010 v1(2350,1080)
  Bottom Layer w10: v1@2171.68,1680 1820,1680 v1(1730,1590) 1700,1560 1700,1480 1750,1430 2110,1430 2160,1380 2160,1270 v1(2350,1080) ; v1(2180,1590) 3110,1590 3350,1350 3350,1150 3425,1075 3577.72,1075 R40.2@3633.39,1019.33 3694.33,1019.33 3827.95,1152.95 CN4.5@3938.98,1152.95 ; IC3.33@2419.21,900.35 2420,899.57 v1(2420,800)
SPI2_MISO: CN6.5 IC8.35 IC12.31 | length 1441.4
  Top Layer w6: CN6.5@2980.01,2090.99 3000.99,2090.99 3060.79,2150.79 IC12.31@3249.61,2150.79
  Top Layer w10: IC8.35@2039.49,1971.73 2138.27,1971.73 2160,1950 v1(2160,1880) ; v1(2390,2050) 2390,2060 2420.99,2090.99 CN6.5@2980.01,2090.99
  Bottom Layer w10: v1(2160,1880) 2166,1874 2264,1874 2390,2000 v1(2390,2050)
SPI2_MOSI: CN6.4 IC8.36 IC12.30 | length 1434.8
  Top Layer w6: CN6.4@3080,2190 3099.53,2170.47 IC12.30@3249.61,2170.47
  Top Layer w10: IC8.36@2039.49,1991.42 2158.58,1991.42 2190,1960 v1(2190,1900) ; v1(2350,2050) 2440,2140 3000,2140 3050,2190 CN6.4@3080,2190
  Bottom Layer w10: v1(2190,1900) 2240,1900 2350,2010 v1(2350,2050)
SPI2_SCK: CN6.3 IC8.34 IC12.29 | length 1479
  Top Layer w6: CN6.3@2980,2190 3010,2190 3060,2240 3180,2240 3229.84,2190.16 IC12.29@3249.61,2190.16
  Top Layer w10: IC8.34@2039.49,1952.05 2107.95,1952.05 2130,1930 v1(2130,1860) ; v1(2310,2050) 2450,2190 CN6.3@2980,2190
  Bottom Layer w10: v1(2130,1860) 2130,1880 2300,2050 v1(2310,2050)
SPI2_SS: CN6.2 IC8.33 IC12.24 | length 1558.4
  Top Layer w10: IC8.33@2039.49,1932.36 2087.64,1932.36 2100,1920 v1(2100,1840) ; v1(2270,2050) 2460,2240 3010,2240 3060,2290 CN6.2@3080,2290 3090.39,2300.39 IC12.24@3281.1,2300.39
  Bottom Layer w10: v1(2100,1840) 2100,1910 2240,2050 v1(2270,2050)
SPI_FLASH_CS: IC8.52 IC9.1 | length 3741
  Top Layer w10: IC8.52@1908.58,2299.49 1908.58,1991.42 2050,1850 2050,1750 2090,1710 2090,1570 v1(2130,1530) ; IC9.1@1971.22,625 1935,625 1870,560 1870,410 1910,370 2450,370 2625,545 2625,825 2670,870 2860,870 2900,910 2900,1150 v1(2520,1530)
  Bottom Layer w10: v1(2130,1530) v1(2520,1530)
SWCLK: CN5.2 IC8.49 | length 412.7
  Top Layer w10: CN5.2@1890,2680 1967.64,2602.36 IC8.49@1967.64,2299.49
SWDIO: CN5.1 IC8.46 | length 629.9
  Top Layer w10: CN5.1@1990,2680 2140,2530 2140,2230 2098.27,2188.27 IC8.46@2039.49,2188.27
SWO: CN5.3 IC8.55 | length 422.1
  Top Layer w10: CN5.3@1790,2680 1870,2600 1870,2370 1849.53,2349.53 IC8.55@1849.53,2299.49
TXN: CN2.2 R14.2 R19.2 | length 364.6
  Top Layer w10: R14.2@1090,835 R19.2@1190,835 1190,748.46 CN2.2@1315.94,622.52
TXP: CN2.1 R15.2 R20.2 | length 526.8
  Top Layer w10: R15.2@890,835 R20.2@990,835 990,798.46 CN2.1@1265.94,522.52
UART_RX: CN7.3 IC8.43 | length 866.6
  Top Layer w10: IC8.43@2039.49,2129.21 2039.54,2129.16 2179.16,2129.16 2580,2530 CN7.3@2580,2690
UART_TX: CN7.4 IC8.42 | length 939.5
  Top Layer w10: IC8.42@2039.49,2109.53 2199.53,2109.53 2680,2590 CN7.4@2680,2690
VIN: CN1.1 F1.1 | length 127.2
  Top Layer w20: CN1.1@736.22,374.02 736.22,497.17 F1.1@739.06,500
W5500_ACTLED: IC3.27 R24.1 | length 1472.7
  Bottom Layer w10: R24.1@1400,340 1490,430 1590,430 1700,540 1700,940 1760,1000 2240,1000 2301.1,938.9 IC3.27@2301.1,900.35
W5500_CS: IC3.32 IC8.20 R18.2 | length 2252.6
  Top Layer w10: v1(1670,1530) 1670,1580 1731.42,1641.42 IC8.20@1731.42,1860.51 ; v1(2350,1040) 2350,860 v1(2380,830)
  Bottom Layer w10: v1(1670,1530) 1670,1470 1730,1410 2020,1410 2060,1370 2060,1300 2320,1040 v1(2350,1040) ; v1(2380,830) 2399.53,849.53 IC3.32@2399.53,900.35 2399.53,949.53 2460,1010 2870,1010 R18.2@2935,1075
W5500_INTN: IC3.36 IC8.27 R17.2 | length 2252.5
  Top Layer w10: IC8.27@1869.21,1860.51 1869.16,1860.46 1869.16,1580.84 v1(1880,1570) ; v1(2500,1500) 2870,1130 v1(2870,940)
  Bottom Layer w10: v1(1880,1570) 1944,1506 2494,1506 v1(2500,1500) ; IC3.36@2478.27,900.35 2478.27,948.27 2505,975 R17.2@2935,975 2900,940 v1(2870,940)
W5500_LINKLED: IC3.25 R25.1 | length 1322.2
  Bottom Layer w10: R25.1@1500,340 1550,340 1720,510 1720,930 1770,980 2210,980 2261.73,928.27 IC3.25@2261.73,900.35
W5500_RST: IC3.37 IC8.26 R13.1 | length 2190.6
  Top Layer w10: IC8.26@1849.53,1860.51 1849.53,1550.47 v1(1860,1540) ; v1(2475,1450) 2840,1085 v1(2840,910)
  Bottom Layer w10: v1(1860,1540) 1910,1490 2435,1490 v1(2475,1450) ; IC3.37@2535.35,843.27 2903.27,843.27 R13.1@2935,875 2875,875 v1(2840,910)
pads on no net: BT1. CN2.0 CN4.1 CN4.8 H1.1 H2.1 H3.1 H4.1 IC1.2 IC1.6 IC3.7 IC3.12 IC3.13 IC3.18 IC3.24 IC3.26 IC3.46 IC3.47 IC5.7 IC6.3 IC6.4 IC8.2 IC8.28 IC8.50 IC8.53 IC8.56 IC12.7 IC12.8 IC12.9 IC12.19 IC12.20 IC12.25 IC12.26 IC12.27 IC12.28

## Polygon pours and split planes (outlines as drawn)
GND on Top Layer "Top Layer-No Net 1" (solid, pour order 24): 50,50 4280,50 4280,2700 50,2700 50,50
GND on Bottom Layer "Top Layer-No Net 1" (solid, pour order 26): 50,50 4280,50 4280,2700 50,2700 50,50

## Keep-outs
Keep-Out Layer:
  the board outline again, w10

## Silkscreen, mask and mechanical layers (free items; w line width, h text height)
Top Overlay:
  lines w10: 2560,2580 2580,2560 ; 2580,2620 2580,2560 ; 2660,2600 2680,2620 ; 2680,2560 2680,2620 ; 2580,2560 2600,2580 2580,2560 ; 2680,2620 2700,2600 2680,2620
  text "3V3" at 2400,2480 h40 r90
  text "GND" at 2500,2480 h40 r90
  text "RX" at 2600,2480 h40 r90
  text "TX" at 2700,2480 h40 r90
Bottom Overlay:
  lines w20: 4000,2185 4000,2435 cw(c3925,2260) 4100,2185 ; 4000,2310 4105,2310 ; 3950,2185 cw(c3950,2310) 3950,2435 3950,2185
  text "RFID_DACS-01" at 1200,2550 h100
  text "V1.0" at 450,2400 h100

## Text inside footprints (layer, text, board x,y; h text height)
CN3: Top Overlay "1" at 920,1400 h30 r90
CN5: Top Overlay "1" at 1990,2580 h30
CN6: Top Overlay "1" at 2900,2270 h30